# KiCad board sizif128.kicad_pcb (continued)
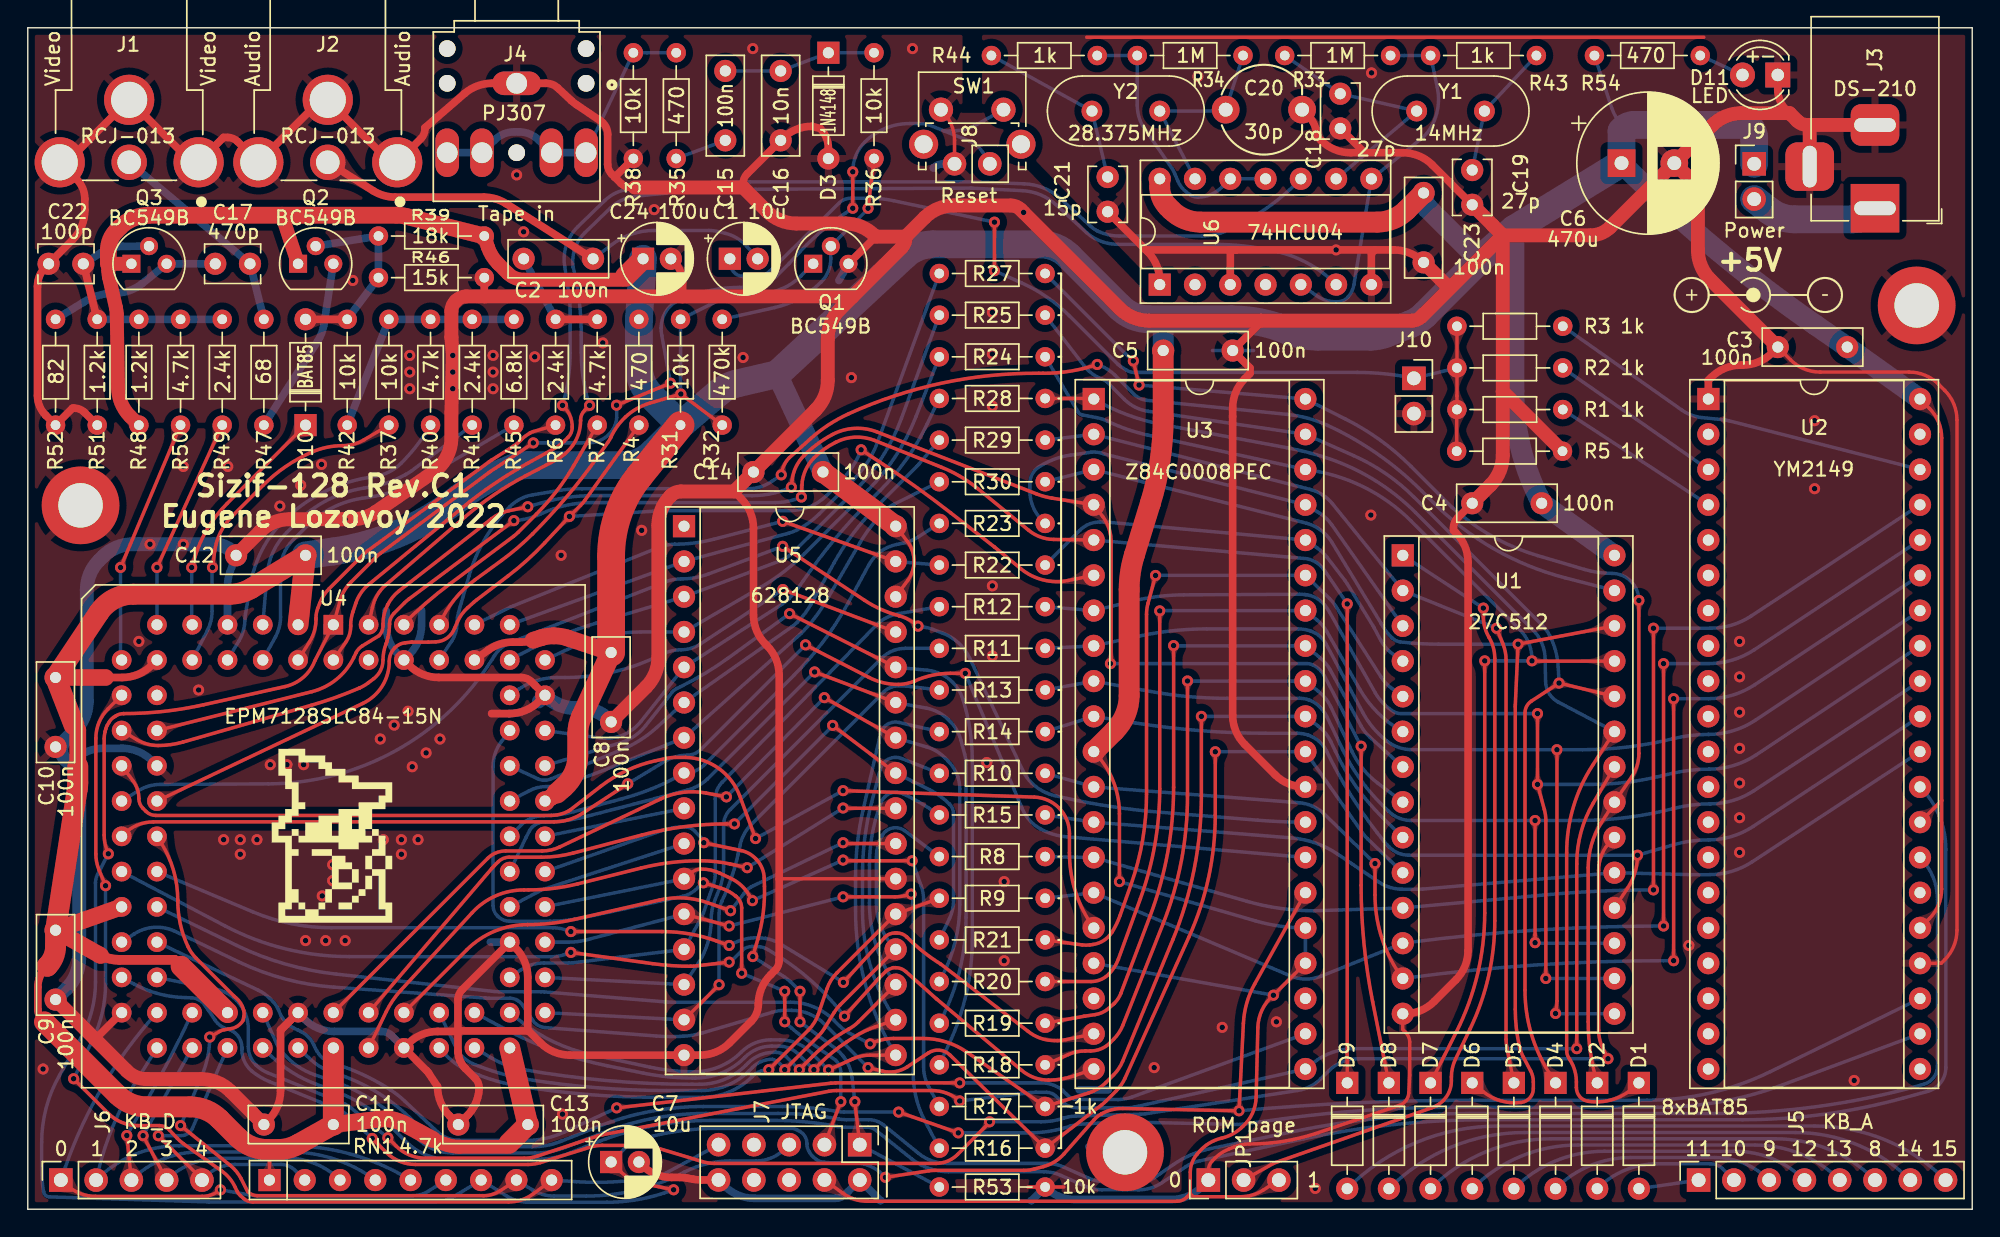
[diagram p0: board, top side]
## Copper pours and planes (outline as drawn; the poured copper is in the pictures) (continued)
D2 on Bottom: 100.57,16.95 100.38,16.94 100.23,16.94 100.09,16.97 99.98,17.01 99.87,17.06 99.77,17.12 99.66,17.19 99.55,17.25 99.41,17.32 99.25,17.38 98.6,16.57 99.44,15.95 99.58,16.05 99.69,16.15 99.79,16.25 99.87,16.34 99.96,16.42 100.04,16.5 100.15,16.57 100.27,16.62 100.42,16.67 100.6,16.7
D2 on Bottom: 78.34,30.42 78.16,30.45 78.01,30.49 77.88,30.54 77.78,30.6 77.69,30.67 77.6,30.75 77.51,30.84 77.41,30.93 77.3,31.02 77.15,31.11 76.35,30.45 77.04,29.68 77.2,29.74 77.33,29.82 77.44,29.89 77.54,29.96 77.64,30.03 77.74,30.08 77.85,30.13 77.98,30.16 78.14,30.18 78.33,30.17
D2 on Bottom: 101.37,17.05 101.07,17.02 100.82,17.01 100.61,17.01 100.42,17.03 100.25,17.06 100.08,17.1 99.9,17.15 99.71,17.22 99.5,17.29 99.25,17.38 98.6,16.57 99.44,15.95 99.66,16.1 99.84,16.23 100.01,16.34 100.16,16.44 100.32,16.52 100.48,16.6 100.66,16.66 100.86,16.71 101.11,16.76 101.4,16.8
D2 on Bottom: 79.14,30.36 78.85,30.39 78.61,30.43 78.4,30.47 78.22,30.52 78.05,30.59 77.9,30.67 77.74,30.76 77.57,30.86 77.38,30.98 77.15,31.11 76.35,30.45 77.04,29.68 77.28,29.77 77.49,29.86 77.68,29.94 77.85,30 78.01,30.05 78.18,30.09 78.37,30.12 78.58,30.13 78.83,30.13 79.12,30.11
D2 on Bottom: 116.98,17.77 117.17,17.77 117.33,17.77 117.47,17.77 117.59,17.77 117.71,17.75 117.82,17.73 117.93,17.7 118.05,17.66 118.18,17.61 118.33,17.54 118.7,17.9 118.33,18.26 118.18,18.19 118.05,18.14 117.93,18.1 117.82,18.07 117.71,18.05 117.59,18.03 117.47,18.03 117.33,18.02 116.97,18.02
D2 on Bottom: 74.62,31.15 74.47,31.2 74.34,31.26 74.25,31.32 74.17,31.39 74.1,31.46 74.04,31.55 73.97,31.63 73.9,31.73 73.82,31.82 73.71,31.92 72.91,31.49 73.37,30.71 73.52,30.74 73.64,30.78 73.75,30.82 73.85,30.87 73.94,30.9 74.04,30.93 74.14,30.95 74.26,30.96 74.4,30.94 74.55,30.9
D2 on Bottom: 119.69,36.9 119.55,36.9 119.42,36.91 119.32,36.91 119.22,36.93 119.14,36.94 119.05,36.97 118.97,37 118.88,37.04 118.79,37.08 118.67,37.13 118.3,36.77 118.67,36.41 118.79,36.47 118.88,36.51 118.97,36.55 119.05,36.58 119.14,36.61 119.22,36.62 119.32,36.64 119.42,36.64 119.55,36.65 119.69,36.65
D2 on Bottom: 134.98,44.68 135.14,44.77 135.29,44.84 135.42,44.87 135.54,44.89 135.65,44.88 135.77,44.87 135.9,44.86 136.03,44.85 136.18,44.85 136.35,44.87 136.57,45.88 135.55,46.07 135.47,45.92 135.41,45.78 135.37,45.65 135.33,45.54 135.3,45.42 135.25,45.32 135.19,45.21 135.11,45.1 135,45 134.85,44.89
D2 on Bottom: 75.3,30.96 75.05,31.03 74.85,31.1 74.68,31.17 74.53,31.25 74.4,31.33 74.28,31.42 74.16,31.52 74.03,31.64 73.88,31.77 73.71,31.92 72.91,31.49 73.37,30.71 73.6,30.75 73.79,30.79 73.96,30.82 74.12,30.85 74.27,30.86 74.42,30.86 74.59,30.85 74.77,30.83 74.98,30.78 75.23,30.72
D2 on Bottom: 134.32,44.24 134.56,44.39 134.78,44.52 134.97,44.61 135.15,44.68 135.32,44.72 135.49,44.76 135.67,44.79 135.86,44.81 136.09,44.83 136.35,44.87 136.57,45.88 135.55,46.07 135.42,45.84 135.31,45.65 135.21,45.47 135.12,45.32 135.02,45.17 134.91,45.04 134.78,44.9 134.62,44.76 134.42,44.61 134.18,44.44
D2 on Bottom: 75.19,30.73 75.36,30.67 75.5,30.6 75.62,30.53 75.7,30.44 75.78,30.36 75.85,30.26 75.92,30.16 76,30.05 76.1,29.94 76.22,29.82 77.14,30.31 76.61,31.21 76.44,31.17 76.3,31.12 76.18,31.07 76.06,31.02 75.96,30.98 75.84,30.94 75.72,30.92 75.59,30.91 75.44,30.93 75.25,30.97
D2 on Bottom: 74.41,30.94 74.7,30.86 74.93,30.78 75.12,30.69 75.29,30.6 75.44,30.51 75.58,30.4 75.71,30.28 75.86,30.15 76.03,30 76.22,29.82 77.14,30.31 76.61,31.21 76.35,31.16 76.13,31.11 75.94,31.08 75.76,31.05 75.58,31.03 75.41,31.02 75.22,31.03 75.01,31.06 74.77,31.11 74.48,31.18
D2 on Bottom: 96.06,25.64 96.16,25.54 96.25,25.45 96.32,25.37 96.38,25.3 96.43,25.22 96.47,25.15 96.51,25.07 96.54,24.98 96.58,24.88 96.62,24.76 97.14,24.76 97.13,25.28 97.01,25.32 96.91,25.35 96.82,25.39 96.74,25.43 96.66,25.47 96.59,25.51 96.51,25.57 96.43,25.64 96.34,25.72 96.24,25.82
D3 on Top: 110.22,31.91 110.23,32.05 110.23,32.18 110.24,32.28 110.25,32.38 110.27,32.46 110.29,32.55 110.32,32.63 110.36,32.72 110.41,32.81 110.46,32.93 110.1,33.3 109.74,32.93 109.79,32.81 109.84,32.72 109.88,32.63 109.91,32.55 109.93,32.46 109.95,32.38 109.96,32.28 109.97,32.18 109.97,32.05 109.97,31.91
D3 on Bottom: 74.37,40.33 74.66,40.34 74.91,40.34 75.12,40.32 75.31,40.29 75.48,40.24 75.64,40.19 75.81,40.12 75.99,40.04 76.2,39.95 76.44,39.84 77.15,40.6 76.36,41.28 76.14,41.15 75.94,41.04 75.77,40.94 75.61,40.86 75.45,40.78 75.29,40.72 75.1,40.67 74.89,40.63 74.65,40.6 74.36,40.58
D3 on Bottom: 74.63,40.6 74.47,40.6 74.33,40.61 74.22,40.64 74.12,40.68 74.03,40.73 73.95,40.79 73.86,40.85 73.77,40.92 73.65,40.98 73.52,41.04 72.9,40.38 73.59,39.79 73.71,39.86 73.82,39.94 73.91,40.01 73.99,40.08 74.06,40.15 74.15,40.21 74.24,40.26 74.35,40.3 74.48,40.33 74.64,40.35
D3 on Bottom: 75.33,40.63 75.08,40.62 74.86,40.63 74.67,40.64 74.51,40.67 74.36,40.7 74.22,40.75 74.07,40.81 73.91,40.88 73.73,40.95 73.52,41.04 72.9,40.38 73.59,39.79 73.78,39.9 73.95,39.99 74.11,40.08 74.25,40.15 74.39,40.21 74.53,40.27 74.69,40.31 74.87,40.34 75.09,40.36 75.34,40.38
D3 on Bottom: 78.28,41.04 78.09,41.01 77.94,41 77.8,41.01 77.69,41.04 77.58,41.09 77.47,41.14 77.36,41.2 77.24,41.25 77.1,41.31 76.94,41.36 76.36,40.5 77.24,39.95 77.37,40.06 77.47,40.17 77.56,40.27 77.64,40.36 77.71,40.46 77.79,40.54 77.89,40.62 78.01,40.68 78.15,40.74 78.33,40.79
D3 on Bottom: 134.99,42.13 135.15,42.23 135.29,42.29 135.42,42.33 135.54,42.34 135.66,42.34 135.77,42.33 135.9,42.32 136.03,42.31 136.18,42.31 136.35,42.33 136.57,43.34 135.55,43.53 135.47,43.38 135.41,43.24 135.37,43.11 135.34,42.99 135.3,42.88 135.25,42.77 135.19,42.67 135.11,42.56 135,42.45 134.85,42.34
D3 on Bottom: 79.06,41.2 78.77,41.15 78.53,41.11 78.32,41.1 78.13,41.1 77.95,41.11 77.78,41.14 77.6,41.18 77.41,41.23 77.19,41.29 76.94,41.36 76.36,40.5 77.24,39.95 77.45,40.11 77.62,40.25 77.78,40.38 77.92,40.49 78.06,40.59 78.22,40.67 78.39,40.75 78.59,40.82 78.83,40.89 79.11,40.96
D3 on Bottom: 111.2,14.2 111.06,14.21 110.93,14.21 110.83,14.22 110.73,14.23 110.65,14.25 110.57,14.27 110.48,14.3 110.4,14.34 110.3,14.39 110.19,14.45 109.8,14.11 110.16,13.73 110.27,13.78 110.37,13.82 110.47,13.86 110.55,13.89 110.64,13.91 110.72,13.93 110.82,13.94 110.93,13.95 111.05,13.95 111.2,13.95
D3 on Bottom: 75.17,40.37 75.36,40.37 75.51,40.35 75.64,40.32 75.75,40.27 75.85,40.21 75.95,40.14 76.05,40.07 76.16,39.99 76.29,39.92 76.44,39.84 77.15,40.6 76.36,41.28 76.22,41.19 76.1,41.1 76,41.02 75.91,40.93 75.82,40.86 75.73,40.79 75.62,40.73 75.49,40.68 75.34,40.64 75.16,40.62
D3 on Bottom: 112.65,13.95 112.84,13.95 112.99,13.92 113.12,13.88 113.23,13.82 113.32,13.76 113.42,13.68 113.51,13.61 113.62,13.52 113.74,13.44 113.89,13.36 114.64,14.08 113.89,14.8 113.74,14.72 113.62,14.64 113.51,14.55 113.42,14.48 113.32,14.4 113.23,14.34 113.12,14.28 112.99,14.24 112.84,14.21 112.65,14.2
D3 on Bottom: 111.85,13.95 112.14,13.95 112.39,13.93 112.6,13.9 112.78,13.86 112.95,13.81 113.11,13.75 113.28,13.67 113.46,13.58 113.66,13.48 113.89,13.36 114.64,14.08 113.89,14.8 113.66,14.68 113.46,14.58 113.28,14.49 113.11,14.41 112.95,14.35 112.78,14.3 112.6,14.26 112.39,14.23 112.14,14.21 111.85,14.2
D3 on Bottom: 134.32,41.69 134.57,41.85 134.78,41.97 134.97,42.06 135.15,42.13 135.32,42.18 135.49,42.22 135.67,42.25 135.87,42.27 136.09,42.29 136.35,42.33 136.57,43.34 135.55,43.53 135.42,43.3 135.31,43.1 135.21,42.93 135.12,42.77 135.02,42.63 134.91,42.49 134.78,42.36 134.62,42.22 134.42,42.07 134.18,41.9
D3 on Bottom: 111.29,33.22 111.15,33.23 111.02,33.23 110.92,33.24 110.82,33.25 110.74,33.27 110.65,33.29 110.57,33.32 110.48,33.36 110.39,33.41 110.27,33.46 109.9,33.1 110.27,32.74 110.39,32.79 110.48,32.84 110.57,32.88 110.65,32.91 110.74,32.93 110.82,32.95 110.92,32.96 111.02,32.97 111.15,32.97 111.29,32.97
D3 on Bottom: 108.91,32.97 109.05,32.97 109.18,32.97 109.28,32.96 109.38,32.95 109.46,32.93 109.55,32.91 109.63,32.88 109.72,32.84 109.81,32.79 109.93,32.74 110.3,33.1 109.93,33.46 109.81,33.41 109.72,33.36 109.63,33.32 109.55,33.29 109.46,33.27 109.38,33.25 109.28,33.24 109.18,33.23 109.05,33.23 108.91,33.22
D4 on Top: 108.57,31.79 108.57,31.65 108.57,31.52 108.56,31.42 108.55,31.32 108.53,31.24 108.51,31.15 108.48,31.07 108.44,30.98 108.39,30.89 108.34,30.77 108.7,30.4 109.06,30.77 109.01,30.89 108.96,30.98 108.92,31.07 108.89,31.15 108.87,31.24 108.85,31.32 108.84,31.42 108.83,31.52 108.83,31.65 108.82,31.79
D4 on Top: 109.17,17.81 109.17,17.67 109.17,17.54 109.16,17.44 109.15,17.34 109.13,17.26 109.11,17.17 109.08,17.09 109.04,17 108.99,16.91 108.94,16.79 109.3,16.42 109.66,16.79 109.61,16.91 109.56,17 109.52,17.09 109.49,17.17 109.47,17.26 109.45,17.34 109.44,17.44 109.43,17.54 109.43,17.67 109.42,17.81
D4 on Top: 109.13,29.48 109.1,29.62 109.07,29.74 109.05,29.85 109.04,29.94 109.03,30.03 109.03,30.12 109.04,30.2 109.05,30.3 109.07,30.4 109.09,30.53 108.65,30.79 108.4,30.34 108.48,30.24 108.55,30.16 108.61,30.09 108.66,30.01 108.7,29.94 108.74,29.86 108.78,29.78 108.82,29.68 108.85,29.56 108.89,29.42
D4 on Top: 108.82,34.51 108.83,34.65 108.83,34.78 108.84,34.88 108.85,34.98 108.87,35.06 108.89,35.15 108.92,35.23 108.96,35.32 109.01,35.41 109.06,35.53 108.7,35.9 108.34,35.53 108.39,35.41 108.44,35.32 108.48,35.23 108.51,35.15 108.53,35.06 108.55,34.98 108.56,34.88 108.57,34.78 108.57,34.65 108.57,34.51
D4 on Bottom: 112.65,16.49 112.84,16.49 112.99,16.46 113.12,16.42 113.23,16.36 113.32,16.3 113.42,16.22 113.51,16.15 113.62,16.06 113.74,15.98 113.89,15.9 114.64,16.62 113.89,17.34 113.74,17.26 113.62,17.18 113.51,17.09 113.42,17.02 113.32,16.94 113.23,16.88 113.12,16.82 112.99,16.78 112.84,16.75 112.65,16.74
D4 on Bottom: 111.85,16.49 112.14,16.49 112.39,16.47 112.6,16.44 112.78,16.4 112.95,16.35 113.11,16.29 113.28,16.21 113.46,16.12 113.66,16.02 113.89,15.9 114.64,16.62 113.89,17.34 113.66,17.22 113.46,17.12 113.28,17.03 113.11,16.95 112.95,16.89 112.78,16.84 112.6,16.8 112.39,16.77 112.14,16.75 111.85,16.74
D4 on Bottom: 134.32,39.15 134.57,39.31 134.78,39.43 134.97,39.52 135.15,39.59 135.32,39.64 135.49,39.68 135.67,39.71 135.87,39.73 136.09,39.75 136.35,39.79 136.57,40.8 135.55,40.99 135.42,40.76 135.31,40.56 135.21,40.39 135.12,40.23 135.02,40.09 134.91,39.95 134.78,39.82 134.62,39.68 134.42,39.53 134.18,39.36
D4 on Bottom: 75.16,43.12 75.34,43.1 75.49,43.06 75.62,43.01 75.72,42.94 75.81,42.87 75.9,42.79 75.99,42.7 76.09,42.61 76.2,42.52 76.34,42.43 77.15,43.09 76.46,43.87 76.3,43.8 76.17,43.72 76.06,43.65 75.96,43.58 75.86,43.52 75.76,43.46 75.65,43.41 75.52,43.38 75.36,43.37 75.18,43.37
D4 on Bottom: 74.65,43.41 74.48,43.43 74.35,43.47 74.24,43.51 74.15,43.57 74.07,43.63 73.99,43.69 73.92,43.77 73.83,43.84 73.73,43.92 73.6,44 72.9,43.43 73.5,42.75 73.64,42.81 73.75,42.87 73.85,42.93 73.94,42.99 74.02,43.05 74.11,43.09 74.21,43.13 74.33,43.16 74.46,43.17 74.63,43.16
D4 on Bottom: 110.49,16.74 110.35,16.75 110.22,16.75 110.12,16.76 110.02,16.77 109.94,16.79 109.85,16.81 109.77,16.84 109.68,16.88 109.59,16.93 109.47,16.98 109.1,16.62 109.47,16.26 109.59,16.31 109.68,16.36 109.77,16.4 109.85,16.43 109.94,16.45 110.02,16.47 110.12,16.48 110.22,16.49 110.35,16.49 110.49,16.49
D4 on Bottom: 74.36,43.19 74.65,43.16 74.89,43.12 75.1,43.07 75.28,43.02 75.45,42.95 75.6,42.88 75.76,42.79 75.93,42.68 76.12,42.56 76.34,42.43 77.15,43.09 76.46,43.87 76.22,43.77 76.01,43.68 75.83,43.61 75.65,43.54 75.49,43.49 75.32,43.45 75.13,43.43 74.92,43.41 74.67,43.42 74.38,43.44
D4 on Bottom: 79.04,43.81 78.76,43.74 78.51,43.7 78.3,43.68 78.11,43.68 77.94,43.69 77.76,43.71 77.59,43.75 77.39,43.79 77.17,43.84 76.92,43.9 76.36,43.03 77.26,42.5 77.46,42.67 77.63,42.82 77.78,42.95 77.92,43.06 78.06,43.16 78.21,43.25 78.38,43.34 78.58,43.42 78.82,43.49 79.1,43.57
D4 on Bottom: 109.89,30.72 109.75,30.73 109.62,30.73 109.52,30.74 109.42,30.75 109.34,30.77 109.25,30.79 109.17,30.82 109.08,30.86 108.99,30.91 108.87,30.96 108.5,30.6 108.87,30.24 108.99,30.29 109.08,30.34 109.17,30.38 109.25,30.41 109.34,30.43 109.42,30.45 109.52,30.46 109.62,30.47 109.75,30.47 109.89,30.47
D4 on Bottom: 78.26,43.62 78.08,43.58 77.93,43.57 77.79,43.58 77.67,43.61 77.56,43.65 77.46,43.7 77.34,43.75 77.22,43.81 77.08,43.86 76.92,43.9 76.36,43.03 77.26,42.5 77.39,42.62 77.49,42.73 77.57,42.83 77.64,42.93 77.72,43.02 77.8,43.11 77.89,43.19 78,43.26 78.14,43.32 78.32,43.38
D4 on Bottom: 134.99,39.59 135.15,39.69 135.29,39.75 135.42,39.79 135.54,39.8 135.66,39.8 135.77,39.79 135.9,39.78 136.03,39.77 136.18,39.77 136.35,39.79 136.57,40.8 135.55,40.99 135.47,40.84 135.41,40.7 135.37,40.57 135.34,40.45 135.3,40.34 135.25,40.23 135.19,40.13 135.11,40.02 135,39.91 134.85,39.8
D4 on Bottom: 107.51,35.57 107.65,35.57 107.78,35.57 107.88,35.56 107.98,35.55 108.06,35.53 108.15,35.51 108.23,35.48 108.32,35.44 108.41,35.39 108.53,35.34 108.9,35.7 108.53,36.06 108.41,36.01 108.32,35.96 108.23,35.92 108.15,35.89 108.06,35.87 107.98,35.85 107.88,35.84 107.78,35.83 107.65,35.83 107.51,35.82
D4 on Bottom: 75.34,43.36 75.09,43.38 74.87,43.41 74.69,43.45 74.53,43.5 74.39,43.55 74.25,43.62 74.12,43.7 73.97,43.79 73.8,43.89 73.6,44 72.9,43.43 73.5,42.75 73.71,42.83 73.9,42.91 74.06,42.97 74.21,43.02 74.35,43.07 74.5,43.1 74.67,43.12 74.85,43.13 75.07,43.12 75.32,43.11
D5 on Top: 108.4,20.4 108.4,20.25 108.39,20.13 108.39,20.02 108.37,19.93 108.36,19.84 108.33,19.76 108.3,19.67 108.26,19.59 108.22,19.49 108.17,19.37 108.53,19 108.89,19.37 108.83,19.49 108.79,19.59 108.75,19.67 108.72,19.76 108.69,19.84 108.68,19.93 108.66,20.02 108.66,20.13 108.65,20.25 108.65,20.4
D5 on Top: 108.65,26.81 108.65,26.95 108.66,27.08 108.66,27.18 108.68,27.28 108.69,27.36 108.72,27.45 108.75,27.53 108.79,27.62 108.83,27.71 108.89,27.83 108.53,28.2 108.17,27.83 108.22,27.71 108.26,27.62 108.3,27.53 108.33,27.45 108.36,27.36 108.37,27.28 108.39,27.18 108.39,27.08 108.4,26.95 108.4,26.81
D5 on Bottom: 74.59,37.77 74.43,37.75 74.3,37.75 74.18,37.76 74.08,37.79 73.99,37.83 73.89,37.88 73.8,37.93 73.7,37.98 73.58,38.03 73.44,38.07 72.91,37.34 73.66,36.84 73.78,36.93 73.87,37.02 73.95,37.1 74.02,37.18 74.09,37.26 74.16,37.33 74.25,37.39 74.35,37.44 74.48,37.49 74.64,37.53
D5 on Bottom: 134.31,36.62 134.56,36.78 134.78,36.9 134.97,36.99 135.15,37.06 135.31,37.11 135.48,37.14 135.66,37.17 135.86,37.19 136.09,37.22 136.35,37.25 136.57,38.26 135.55,38.45 135.42,38.22 135.31,38.03 135.21,37.85 135.12,37.7 135.02,37.56 134.91,37.42 134.77,37.28 134.61,37.14 134.42,36.99 134.18,36.83
D5 on Bottom: 112.65,19.03 112.84,19.03 112.99,19 113.12,18.96 113.23,18.9 113.32,18.84 113.42,18.76 113.51,18.69 113.62,18.6 113.74,18.52 113.89,18.44 114.64,19.16 113.89,19.88 113.74,19.8 113.62,19.72 113.51,19.63 113.42,19.56 113.32,19.48 113.23,19.42 113.12,19.36 112.99,19.32 112.84,19.29 112.65,19.28
D5 on Bottom: 111.85,19.03 112.14,19.03 112.39,19.01 112.6,18.98 112.78,18.94 112.95,18.89 113.11,18.83 113.28,18.75 113.46,18.66 113.66,18.56 113.89,18.44 114.64,19.16 113.89,19.88 113.66,19.76 113.46,19.66 113.28,19.57 113.11,19.49 112.95,19.43 112.78,19.38 112.6,19.34 112.39,19.31 112.14,19.29 111.85,19.28
D5 on Bottom: 109.73,19.28 109.58,19.29 109.46,19.29 109.36,19.3 109.26,19.31 109.18,19.33 109.1,19.35 109.02,19.38 108.93,19.43 108.84,19.48 108.73,19.54 108.33,19.22 108.66,18.82 108.89,18.91 108.98,18.94 109.07,18.97 109.15,18.99 109.24,19.01 109.34,19.02 109.45,19.03 109.58,19.03 109.73,19.03
D5 on Bottom: 109.72,28.12 109.57,28.13 109.45,28.13 109.34,28.14 109.25,28.15 109.16,28.17 109.08,28.19 109,28.22 108.91,28.26 108.81,28.31 108.7,28.36 108.33,28 108.7,27.64 108.81,27.69 108.91,27.74 109,27.78 109.08,27.81 109.16,27.83 109.25,27.85 109.34,27.86 109.45,27.87 109.57,27.87 109.72,27.88
D5 on Bottom: 78.34,37.88 78.15,37.92 78.01,37.97 77.89,38.04 77.79,38.11 77.71,38.19 77.63,38.28 77.55,38.38 77.46,38.48 77.35,38.58 77.22,38.69 76.36,38.11 76.96,37.27 77.12,37.32 77.26,37.38 77.38,37.44 77.49,37.5 77.59,37.56 77.7,37.6 77.82,37.64 77.95,37.66 78.11,37.66 78.29,37.63
D5 on Bottom: 75.21,37.63 75.39,37.66 75.55,37.66 75.68,37.64 75.8,37.6 75.91,37.56 76.01,37.5 76.12,37.44 76.24,37.38 76.38,37.32 76.54,37.27 77.14,38.11 76.28,38.69 76.15,38.58 76.04,38.48 75.95,38.38 75.87,38.28 75.79,38.19 75.71,38.11 75.61,38.04 75.49,37.97 75.35,37.92 75.16,37.88
D5 on Bottom: 134.98,37.06 135.14,37.15 135.29,37.22 135.42,37.25 135.54,37.27 135.65,37.27 135.77,37.26 135.89,37.24 136.03,37.23 136.18,37.23 136.35,37.25 136.57,38.26 135.55,38.45 135.47,38.3 135.41,38.16 135.37,38.04 135.33,37.92 135.3,37.81 135.25,37.7 135.19,37.59 135.11,37.49 135,37.38 134.84,37.27
D5 on Bottom: 79.12,37.73 78.84,37.79 78.6,37.85 78.39,37.92 78.22,37.99 78.06,38.07 77.92,38.17 77.77,38.27 77.61,38.39 77.43,38.53 77.22,38.69 76.36,38.11 76.96,37.27 77.21,37.34 77.43,37.41 77.62,37.46 77.8,37.51 77.97,37.54 78.14,37.57 78.33,37.57 78.54,37.56 78.79,37.54 79.08,37.49
D5 on Bottom: 107.34,27.88 107.48,27.87 107.6,27.87 107.71,27.86 107.8,27.85 107.89,27.83 107.97,27.81 108.05,27.78 108.14,27.74 108.24,27.69 108.35,27.64 108.73,28 108.35,28.36 108.24,28.31 108.14,28.26 108.05,28.22 107.97,28.19 107.89,28.17 107.8,28.15 107.71,28.14 107.6,28.13 107.48,28.13 107.34,28.12
D5 on Bottom: 74.42,37.49 74.71,37.53 74.96,37.56 75.17,37.57 75.36,37.57 75.53,37.54 75.7,37.51 75.88,37.46 76.07,37.41 76.29,37.34 76.54,37.27 77.14,38.11 76.28,38.69 76.07,38.53 75.89,38.39 75.73,38.27 75.58,38.17 75.44,38.07 75.28,37.99 75.11,37.92 74.9,37.85 74.66,37.79 74.38,37.73
D5 on Bottom: 75.28,37.9 75.03,37.86 74.82,37.83 74.63,37.82 74.47,37.83 74.31,37.84 74.16,37.87 74.01,37.91 73.84,37.96 73.65,38.01 73.44,38.07 72.91,37.34 73.66,36.84 73.85,36.97 74,37.09 74.14,37.19 74.27,37.28 74.4,37.36 74.54,37.43 74.69,37.49 74.87,37.55 75.08,37.6 75.33,37.65
D6 on Top: 115.68,24.61 115.58,24.22 115.47,23.9 115.35,23.63 115.21,23.4 115.05,23.21 114.87,23.04 114.66,22.89 114.42,22.73 114.14,22.57 113.83,22.39 114.02,21.37 115.03,21.59 115.09,21.96 115.16,22.27 115.24,22.54 115.33,22.78 115.42,23.01 115.52,23.25 115.62,23.5 115.72,23.8 115.82,24.14 115.92,24.56
D6 on Top: 115.02,23.09 114.9,22.94 114.8,22.83 114.69,22.75 114.59,22.69 114.48,22.64 114.37,22.61 114.25,22.57 114.12,22.53 113.98,22.47 113.83,22.39 114.02,21.37 115.03,21.59 115.05,21.76 115.05,21.91 115.04,22.04 115.03,22.17 115.02,22.28 115.02,22.4 115.03,22.52 115.07,22.65 115.13,22.79 115.22,22.96
D6 on Top: 115.85,24.28 115.93,24.55 115.96,24.66 115.99,24.75 116.03,24.84 116.06,24.92 116.1,25 116.14,25.09 116.19,25.19 116.25,25.31 115.91,25.7 115.53,25.34 115.58,25.23 115.62,25.14 115.65,25.05 115.67,24.96 115.69,24.88 115.69,24.79 115.69,24.7 115.67,24.6 115.65,24.48 115.61,24.35
D6 on Bottom: 74.54,34.94 74.38,34.89 74.25,34.88 74.13,34.88 74.02,34.89 73.93,34.92 73.83,34.95 73.73,34.99 73.62,35.03 73.5,35.06 73.35,35.09 72.92,34.3 73.73,33.89 73.83,34 73.91,34.1 73.98,34.19 74.04,34.28 74.1,34.36 74.17,34.44 74.24,34.51 74.34,34.58 74.46,34.64 74.61,34.7
D6 on Bottom: 75.27,34.9 75.45,34.95 75.61,34.97 75.74,34.97 75.86,34.95 75.97,34.92 76.08,34.88 76.2,34.83 76.32,34.78 76.47,34.74 76.63,34.71 77.13,35.62 76.2,36.08 76.08,35.96 75.99,35.84 75.91,35.73 75.85,35.63 75.78,35.53 75.71,35.44 75.62,35.36 75.51,35.28 75.37,35.21 75.2,35.14
D6 on Bottom: 79.13,35.25 78.84,35.3 78.6,35.36 78.4,35.42 78.22,35.49 78.06,35.57 77.91,35.65 77.76,35.76 77.6,35.87 77.42,36.01 77.21,36.16 76.35,35.56 76.98,34.73 77.23,34.81 77.44,34.88 77.63,34.94 77.81,34.99 77.98,35.03 78.15,35.06 78.34,35.07 78.55,35.07 78.8,35.04 79.09,35
D6 on Bottom: 75.21,35.15 74.96,35.07 74.75,35.02 74.57,34.99 74.4,34.97 74.25,34.97 74.1,34.98 73.94,35 73.77,35.03 73.58,35.06 73.35,35.09 72.92,34.3 73.73,33.89 73.89,34.05 74.03,34.18 74.16,34.3 74.28,34.41 74.4,34.5 74.52,34.59 74.67,34.67 74.84,34.75 75.04,34.83 75.28,34.91
D6 on Bottom: 74.51,34.66 74.79,34.75 75.03,34.8 75.24,34.84 75.43,34.86 75.6,34.86 75.78,34.84 75.96,34.82 76.15,34.79 76.38,34.75 76.63,34.71 77.13,35.62 76.2,36.08 76.01,35.9 75.85,35.74 75.71,35.6 75.58,35.48 75.44,35.37 75.3,35.27 75.13,35.18 74.94,35.09 74.71,35 74.43,34.9
D6 on Bottom: 78.34,35.38 78.16,35.41 78.01,35.46 77.89,35.53 77.79,35.6 77.71,35.68 77.63,35.76 77.54,35.86 77.45,35.95 77.34,36.05 77.21,36.16 76.35,35.56 76.98,34.73 77.14,34.79 77.28,34.85 77.39,34.92 77.5,34.98 77.6,35.04 77.71,35.09 77.83,35.12 77.96,35.15 78.11,35.15 78.3,35.13
D6 on Bottom: 134.31,34.08 134.56,34.24 134.78,34.36 134.97,34.45 135.14,34.52 135.31,34.57 135.48,34.6 135.66,34.63 135.86,34.65 136.09,34.68 136.35,34.71 136.57,35.72 135.55,35.91 135.42,35.68 135.31,35.49 135.21,35.31 135.12,35.16 135.02,35.02 134.91,34.88 134.77,34.74 134.61,34.6 134.42,34.45 134.18,34.29
D6 on Bottom: 117.01,25.95 116.87,25.91 116.75,25.88 116.65,25.86 116.55,25.85 116.46,25.84 116.38,25.84 116.29,25.85 116.2,25.86 116.09,25.87 115.97,25.89 115.71,25.44 116.17,25.2 116.26,25.29 116.34,25.36 116.42,25.42 116.49,25.47 116.56,25.51 116.64,25.56 116.72,25.59 116.82,25.63 116.94,25.67 117.08,25.71
D6 on Bottom: 114.71,25.38 114.85,25.37 114.98,25.37 115.08,25.36 115.18,25.35 115.26,25.33 115.35,25.31 115.43,25.28 115.52,25.24 115.61,25.19 115.73,25.14 116.1,25.5 115.73,25.86 115.61,25.81 115.52,25.76 115.43,25.72 115.35,25.69 115.26,25.67 115.18,25.65 115.08,25.64 114.98,25.63 114.85,25.63 114.71,25.63
D6 on Bottom: 134.98,34.52 135.14,34.62 135.29,34.68 135.42,34.71 135.54,34.73 135.65,34.73 135.77,34.72 135.89,34.7 136.03,34.69 136.18,34.69 136.35,34.71 136.57,35.72 135.55,35.91 135.47,35.76 135.41,35.62 135.37,35.5 135.33,35.38 135.3,35.27 135.25,35.16 135.19,35.05 135.11,34.95 135,34.84 134.84,34.73
D7 on Bottom: 75.16,27.99 75.34,27.95 75.49,27.9 75.61,27.84 75.71,27.77 75.8,27.69 75.88,27.61 75.96,27.52 76.05,27.42 76.16,27.32 76.3,27.22 77.15,27.82 76.51,28.64 76.35,28.59 76.22,28.52 76.1,28.46 75.99,28.39 75.89,28.33 75.79,28.28 75.67,28.25 75.54,28.22 75.38,28.22 75.2,28.24
D7 on Bottom: 115.83,24.32 115.65,24.34 115.49,24.37 115.37,24.41 115.26,24.47 115.16,24.54 115.07,24.62 114.98,24.7 114.88,24.78 114.75,24.87 114.61,24.95 113.84,24.25 114.57,23.51 114.72,23.59 114.85,23.67 114.96,23.75 115.05,23.82 115.15,23.89 115.25,23.96 115.36,24.01 115.48,24.05 115.64,24.07 115.83,24.07
D7 on Bottom: 79.14,27.81 78.85,27.84 78.61,27.88 78.4,27.93 78.22,27.98 78.05,28.05 77.9,28.12 77.74,28.21 77.57,28.32 77.38,28.44 77.15,28.57 76.35,27.91 77.04,27.13 77.28,27.23 77.49,27.32 77.67,27.39 77.85,27.46 78.01,27.51 78.18,27.55 78.37,27.57 78.58,27.59 78.83,27.58 79.12,27.57
D7 on Bottom: 116.63,24.3 116.34,24.32 116.09,24.34 115.88,24.37 115.7,24.42 115.53,24.48 115.37,24.55 115.21,24.63 115.04,24.72 114.84,24.83 114.61,24.95 113.84,24.25 114.57,23.51 114.81,23.62 115.01,23.72 115.19,23.8 115.36,23.88 115.52,23.94 115.69,23.99 115.87,24.02 116.09,24.05 116.33,24.06 116.63,24.05
D7 on Bottom: 112.67,23.98 112.85,23.99 113.01,23.97 113.14,23.94 113.25,23.9 113.35,23.84 113.45,23.78 113.56,23.7 113.67,23.63 113.8,23.56 113.95,23.49 114.64,24.27 113.83,24.93 113.69,24.83 113.57,24.74 113.47,24.65 113.39,24.56 113.3,24.48 113.21,24.41 113.11,24.35 112.98,24.29 112.83,24.25 112.65,24.23
D7 on Bottom: 78.34,27.88 78.16,27.9 78.01,27.94 77.88,27.99 77.78,28.06 77.69,28.13 77.6,28.21 77.51,28.3 77.41,28.39 77.3,28.48 77.15,28.57 76.35,27.91 77.04,27.13 77.2,27.2 77.33,27.28 77.44,27.35 77.54,27.42 77.64,27.48 77.74,27.54 77.85,27.59 77.98,27.62 78.14,27.63 78.33,27.63
D7 on Bottom: 134.98,31.98 135.14,32.08 135.28,32.14 135.41,32.17 135.54,32.19 135.65,32.19 135.77,32.18 135.89,32.16 136.03,32.15 136.17,32.15 136.34,32.17 136.57,33.18 135.55,33.37 135.47,33.22 135.42,33.08 135.37,32.96 135.33,32.84 135.3,32.73 135.25,32.62 135.19,32.51 135.11,32.41 134.99,32.3 134.84,32.19
D7 on Bottom: 134.31,31.54 134.56,31.7 134.77,31.82 134.97,31.91 135.14,31.98 135.31,32.03 135.48,32.06 135.66,32.09 135.86,32.11 136.09,32.14 136.34,32.17 136.57,33.18 135.55,33.37 135.42,33.15 135.31,32.95 135.21,32.78 135.12,32.62 135.02,32.48 134.9,32.34 134.77,32.21 134.61,32.07 134.42,31.92 134.17,31.75
D7 on Bottom: 75.34,28.22 75.08,28.26 74.87,28.3 74.69,28.35 74.54,28.41 74.4,28.48 74.27,28.55 74.13,28.64 73.99,28.74 73.83,28.85 73.64,28.98 72.9,28.45 73.46,27.73 73.67,27.8 73.86,27.86 74.03,27.92 74.18,27.96 74.33,27.99 74.48,28.01 74.64,28.02 74.83,28.02 75.05,28 75.3,27.97
D7 on Bottom: 74.37,28.11 74.66,28.06 74.9,28.01 75.1,27.95 75.28,27.88 75.44,27.8 75.59,27.71 75.74,27.61 75.9,27.5 76.09,27.37 76.3,27.22 77.15,27.82 76.51,28.64 76.26,28.56 76.05,28.49 75.86,28.43 75.69,28.38 75.52,28.34 75.34,28.31 75.15,28.3 74.94,28.3 74.69,28.32 74.4,28.35
D7 on Bottom: 111.87,23.91 112.16,23.93 112.41,23.94 112.62,23.92 112.81,23.9 112.98,23.86 113.15,23.81 113.32,23.75 113.5,23.67 113.71,23.59 113.95,23.49 114.64,24.27 113.83,24.93 113.61,24.79 113.42,24.67 113.25,24.57 113.09,24.48 112.93,24.4 112.77,24.33 112.59,24.28 112.38,24.23 112.14,24.19 111.85,24.16
